# Altium PCB PCB1.PcbDoc (part 1 of 2)
Units mil, origin at the board's own origin, x right, y up, seen from the top; angles counter-clockwise.
Board outline 3031.5 x 3622.05 mil, 2 copper layers (Top Layer, Bottom Layer); 135 components, 132 nets, 565 pads, 121 vias.
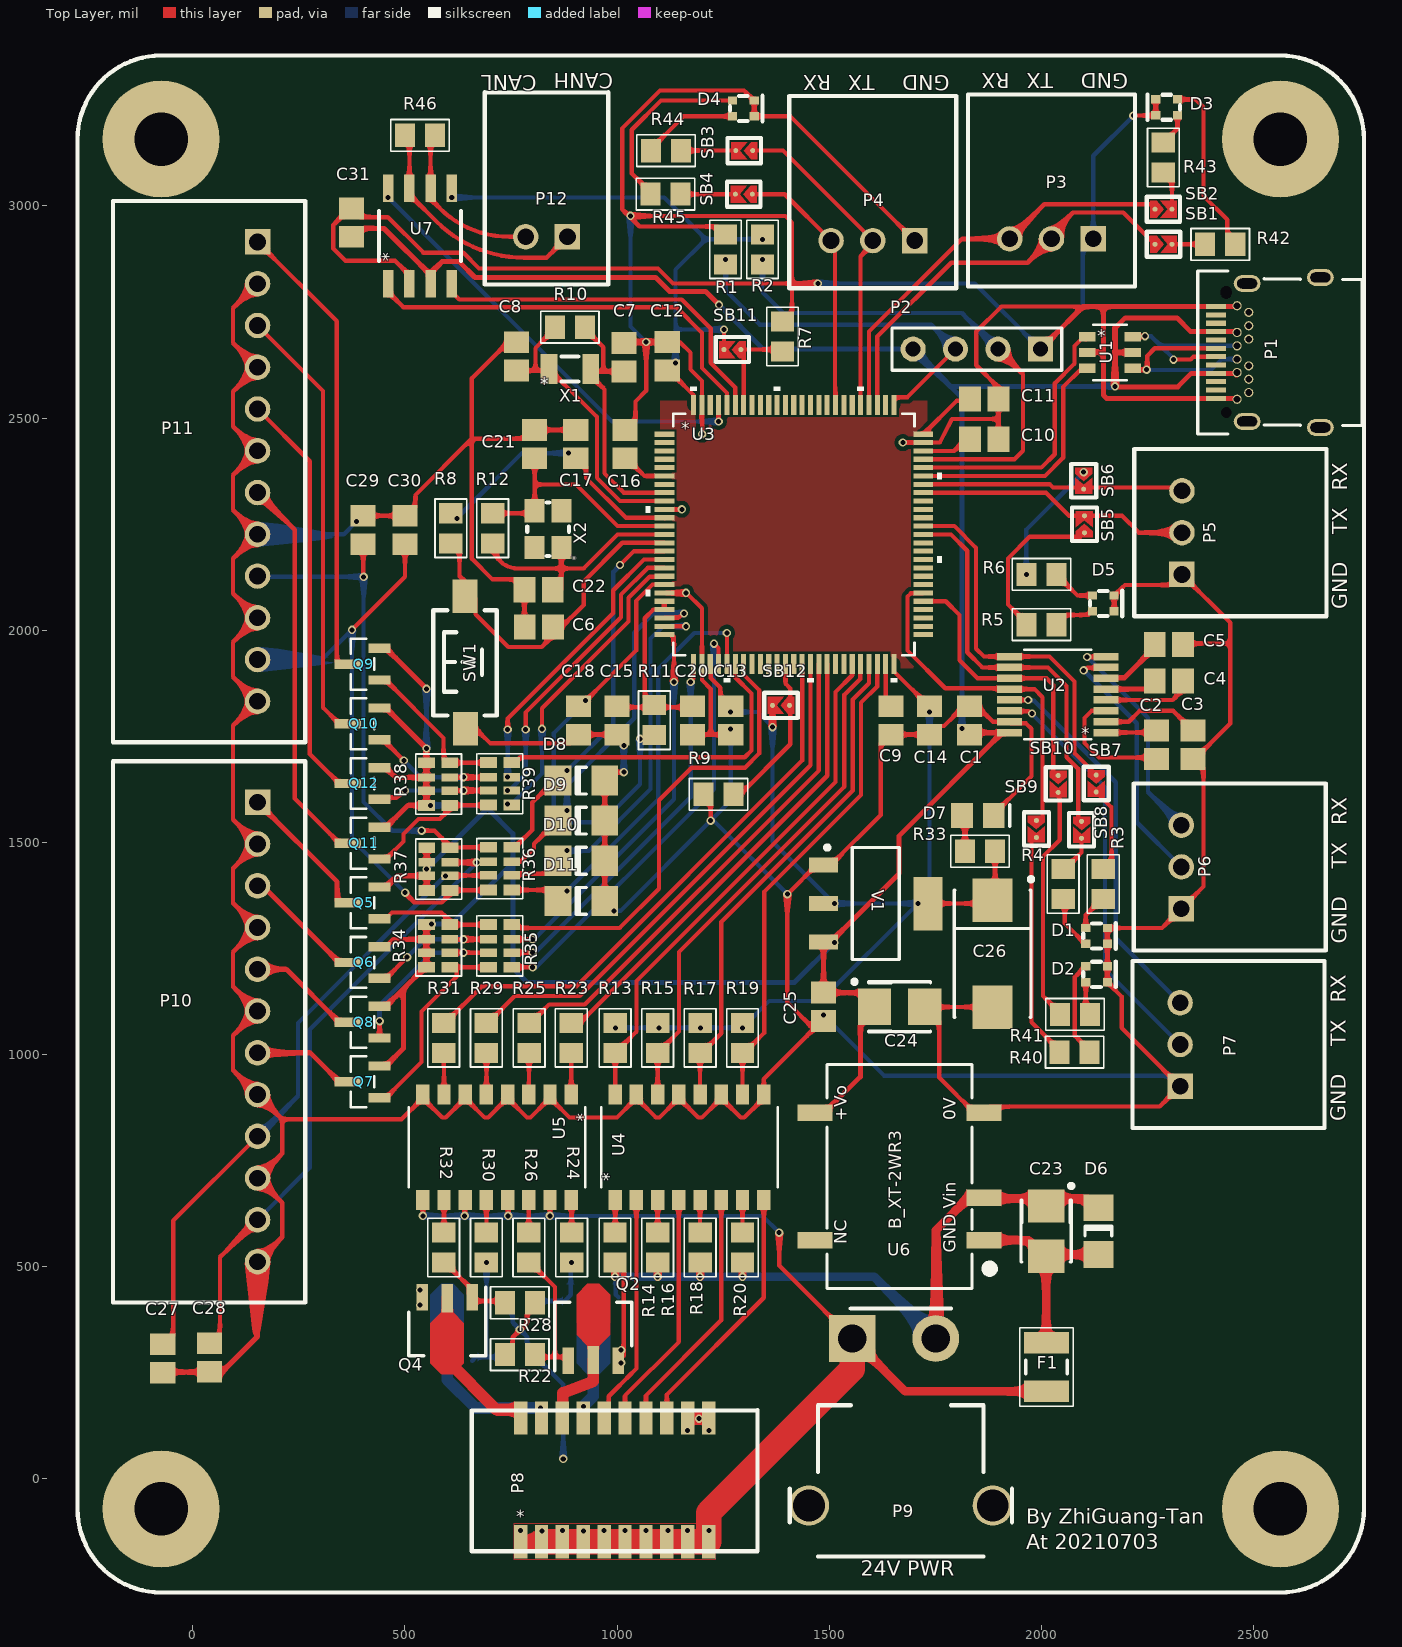
[diagram p0: Top Layer view]
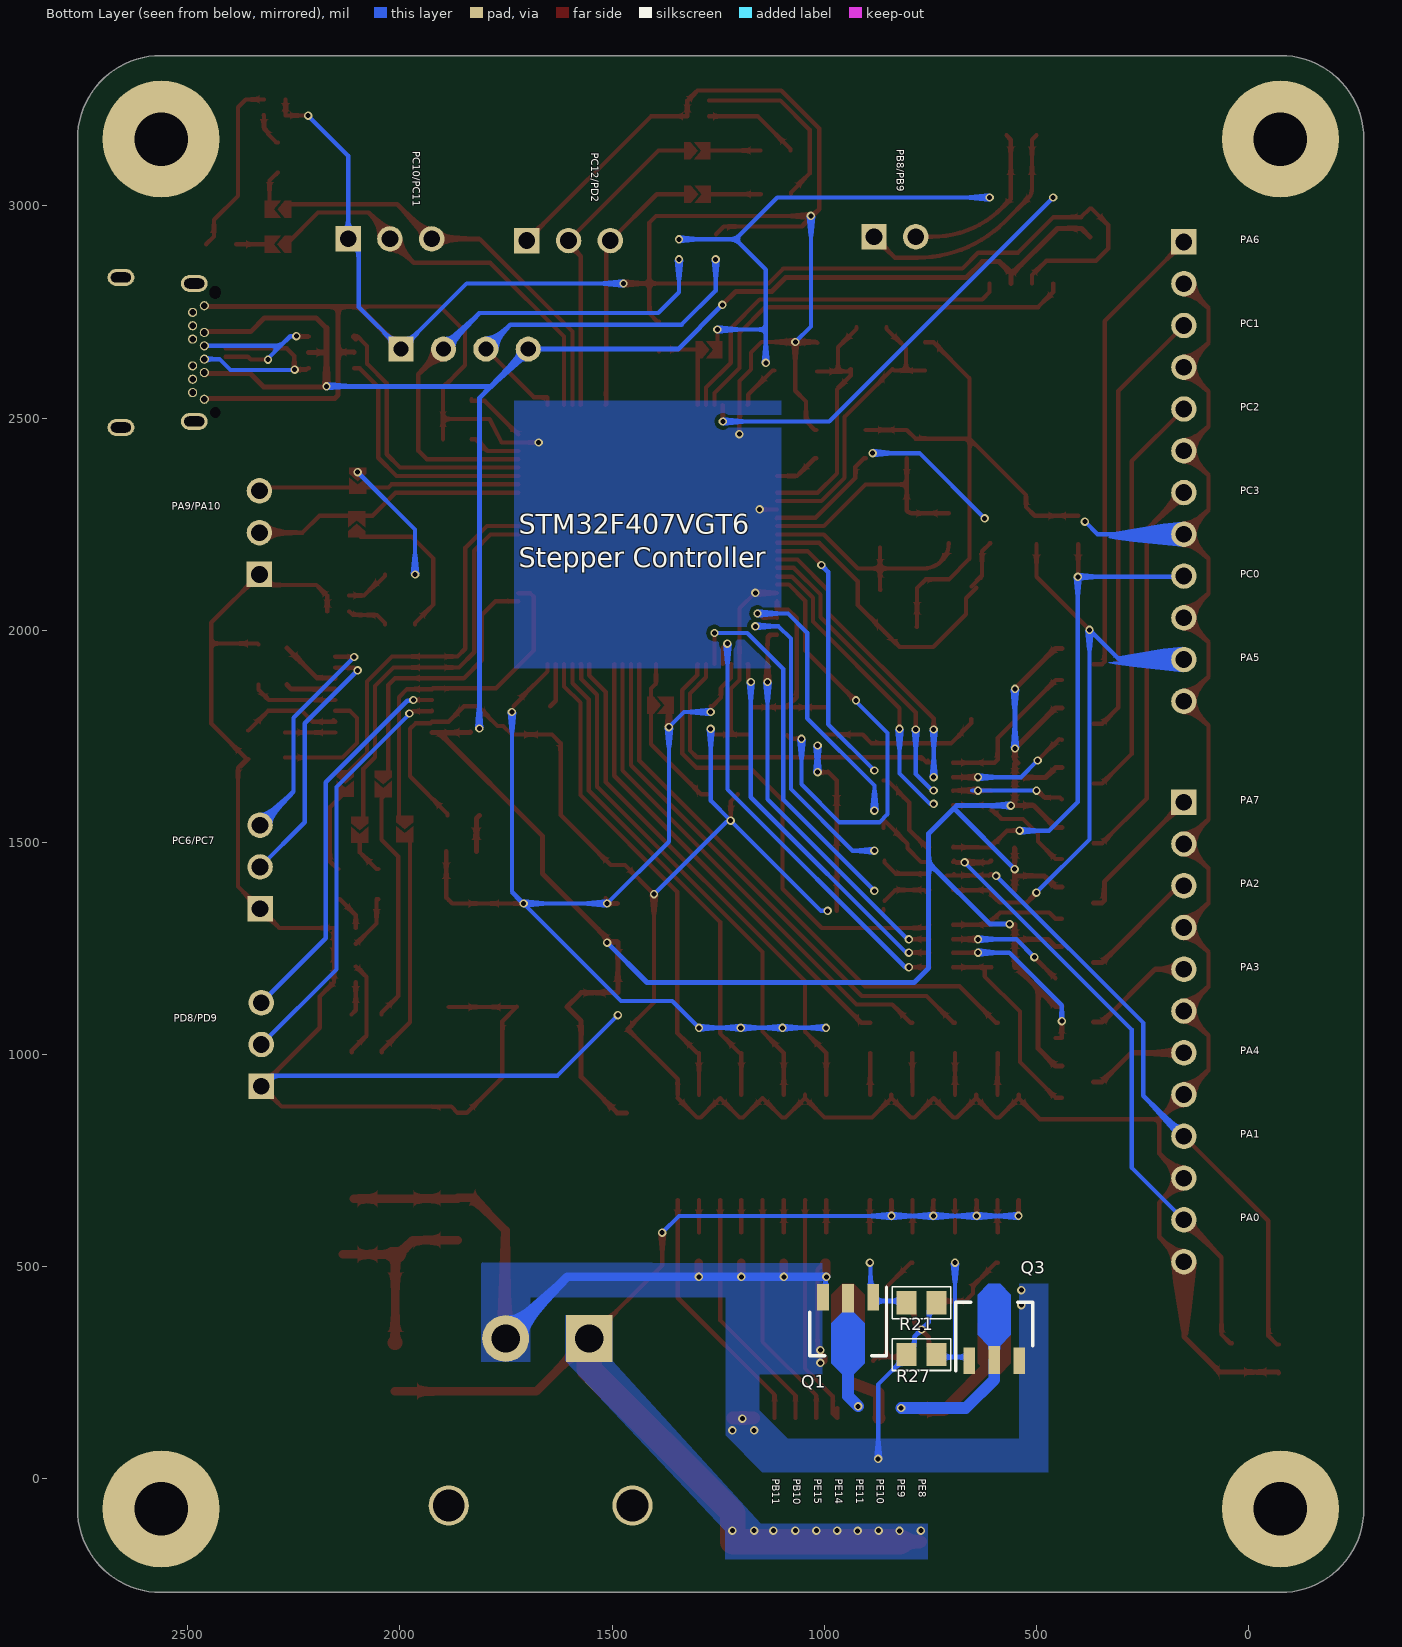
[diagram p1: Bottom Layer view, seen from below]
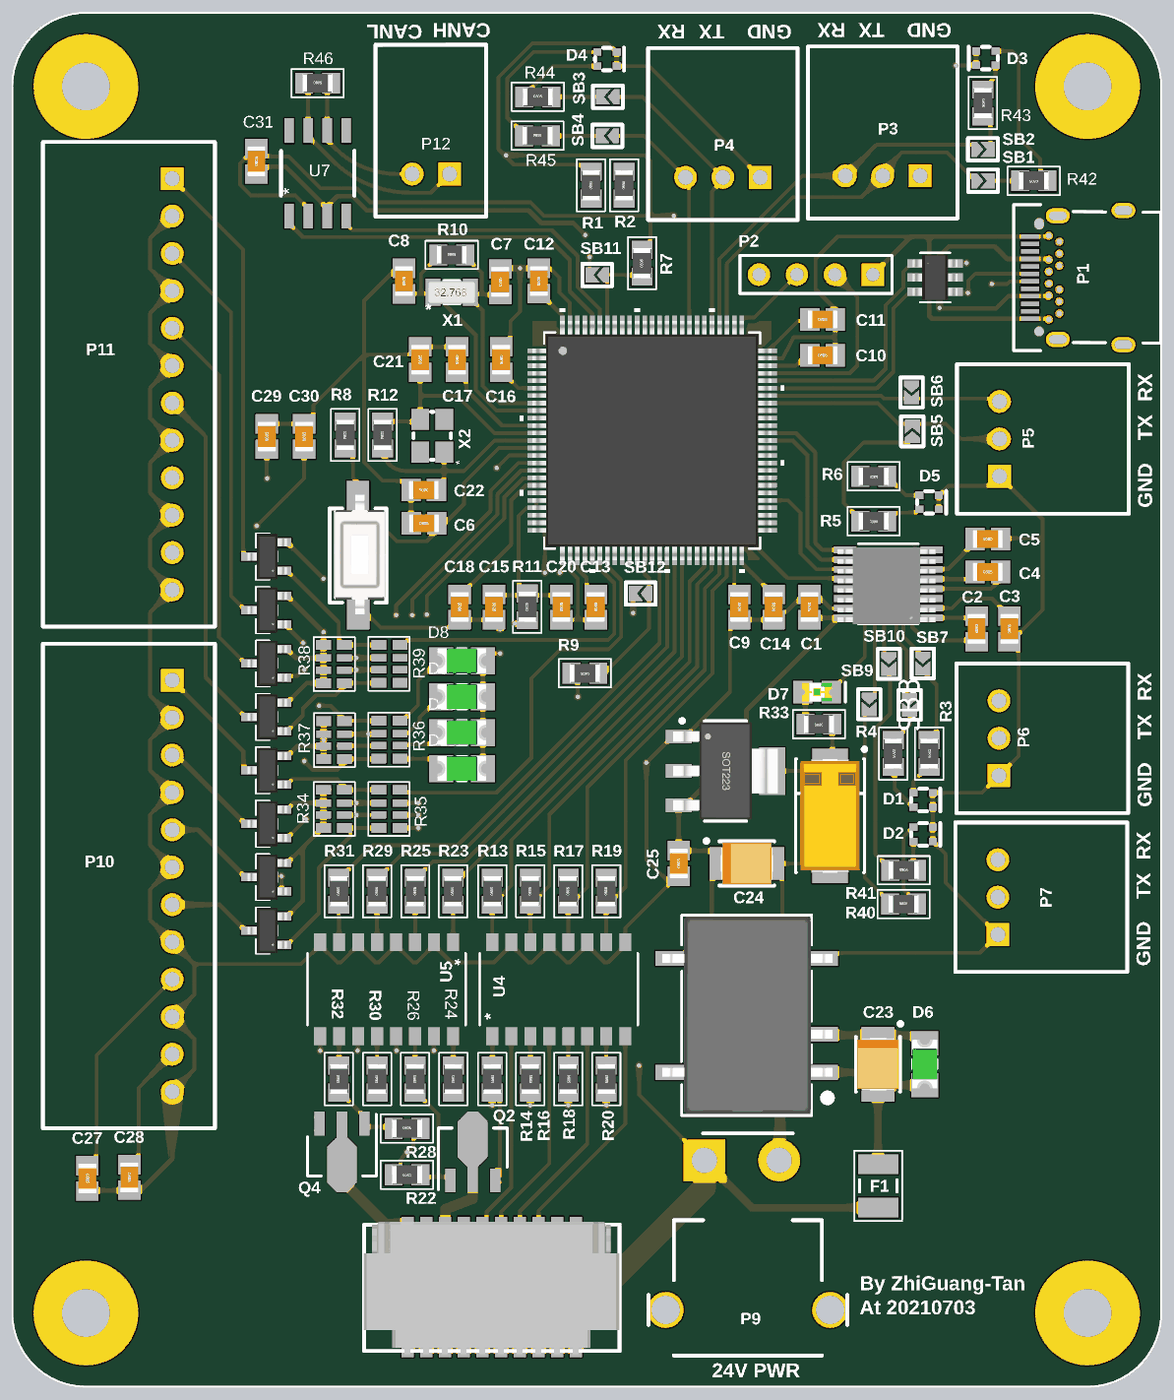
[diagram p3: 3D render of the assembled board from above, using the file's embedded part models]

## Layer stack, top to bottom
Top Solder: solder mask 0.4, Solder Resist, Dk 3.5
Top Layer: signal copper 1.4
Dielectric 1: dielectric 12.6, FR-4, Dk 4.8
Bottom Layer: signal copper 1.4
Bottom Solder: solder mask 0.4, Solder Resist, Dk 3.5

## Board outline
-271.65,-70.87 ccw(c-74.8,-70.87) -74.8,-267.72 2562.99,-267.72 ccw(c2562.99,-70.87) 2759.84,-70.87 2759.84,3157.48 ccw(c2562.99,3157.48) 2562.99,3354.33 -74.8,3354.33 ccw(c-74.8,3157.48) -271.65,3157.48

## Design rules (kind name [scope] priority, off if disabled: settings)
Clearance [All] p1: gap=10 ignorepadtopadclearanceinfootprint=FALSE except(0: Arc-Hole Track-Hole SMDPad-Hole THPad-Hole Via-Hole Fill-Hole Poly-Hole Region-Hole Text-Hole; 6: Arc-SMDPad Track-SMDPad SMDPad-Fill SMDPad-Poly SMDPad-Region Fill-Fill Fill-Poly Fill-Region Poly-Poly Poly-Region Region-Region; 7: SMDPad-SMDPad; 8: Arc-Arc Arc-Track Arc-THPad Track-Track Track-THPad SMDPad-THPad THPad-THPad)
DiffPairsRouting [All] p1: maxlimit=10 minlimit=6 mostfreqgap=10 toplayer_minwidth=10 toplayer_maxwidth=15 toplayer_prefwidth=15 bottomlayer_minwidth=10 bottomlayer_maxwidth=15 bottomlayer_prefwidth=15 maxuncoupledlength=500
HoleSize [All] p1: absolutevalues=TRUE maxlimit=275.59 minlimit=11.81 maxpercent=80.000 minpercent=20.000
HoleToHoleClearance [All] p1: gap=8 allowstackedmicrovias=TRUE
MinimumSolderMaskSliver [All] p1: minsoldermaskwidth=0
PlaneClearance [All] p1: clearance=10
PlaneConnect [All] p1: planeconnectstyle=Direct reliefexpansion=20 reliefentries=4 reliefconductorwidth=10 reliefairgap=10
PolygonConnect [All] p1: connectstyle=Direct reliefconductorwidth=10 reliefentries=4 polygonreliefangle="90 Angle" airgapwidth=10
RoutingVias [All] p1: holewidth=28 width=50 viastyle="Through Hole" minholewidth=11.81 minwidth=19.68 maxholewidth=28 maxwidth=50
SilkToSilkClearance [All] p1: silktosilkclearance=0
SilkToSolderMaskClearance [IsPad] p1: minsilkscreentomaskgap=0 clearancetoexposedcopper=TRUE
SolderMaskExpansion [All] p1: expansion=4
Width [All] p1: maxlimit=60 minlimit=6 preferedwidth=10 minimp=50.000000 maximp=50.000000 favimp=50.000000
22 further rules are at their usual default settings.

## Classes and differential pairs
component class stepper: C27 C28 C29 C30 D8 D9 D10 D11 P10 P11 Q5 Q6 Q7 Q8 Q9 Q10 Q11 Q12 R34 R35 R36 R37 R38 R39
component class power: C23 C24 C25 C26 D6 D7 F1 P9 R33 U6 V1
component class io_TS: P8 Q1 Q2 Q3 Q4 R13 R14 R15 R16 R17 R18 R19 R20 R21 R22 R23 R24 R25 R26 R27 R28 R29 R30 R31 R32 U4 U5
component class controller: C6 C7 C8 C9 C10 C11 C12 C13 C14 C15 C16 C17 C18 C20 C21 C22 R7 R8 R9 R10 R11 R12 SB11 SB12 SW1 U3 X1 X2
component class connectivity: C1 C2 C3 C4 C5 C31 D1 D2 D3 D4 D5 P1 P2 P3 P4 P5 P6 P7 P12 R1 R2 R3 R4 R5 R6 R40 R41 R42 R43 R44 R45 R46 SB1 SB2 SB3 SB4 SB5 SB6 SB7 SB8 SB9 SB10 U1 U2 U7
differential pair USB: +USB_P -USB_N

## Components (designator, comment, footprint, x,y, rotation, side; value= is the part's Value field where it differs from the comment)
C1 "100nF" "CAP 0805" 1830.71,1787.4 r270 top
C2 "100nF" "CAP 0805" 2270.65,1729.97 r270 top
C3 "100nF" "CAP 0805" 2357.27,1729.97 r90 top
C4 "100nF" "CAP 0805" 2300.18,1879.85 r0 top
C5 "100nF" "CAP 0805" 2300.18,1966.47 r180 top
C6 "100nF" "CAP 0805" 815.42,2007.87 r0 top
C7 "100nF" "CAP 0805" 1016.32,2643.35 r90 top
C8 "100nF" "CAP 0805" 762.7,2645.32 r90 top
C9 "100nF" "CAP 0805" 1645.67,1787.4 r270 top
C10 "100nF" "CAP 0805" 1865.14,2450.05 r0 top
C11 "100nF" "CAP 0805" 1865.14,2544.54 r0 top
C12 "100nF" "CAP 0805" 1118.11,2645.67 r90 top
C13 "100nF" "CAP 0805" 1267.72,1787.4 r270 top
C14 "100nF" "CAP 0805" 1736.22,1787.4 r270 top
C15 "100nF" "CAP 0805" 1000,1787.4 r270 top
C16 "100nF" "CAP 0805" 1018.69,2438.63 r270 top
C17 "100nF" "CAP 0805" 902.46,2438.63 r270 top
C18 "100nF" "CAP 0805" 909.45,1787.4 r90 top
C20 "100nF" "CAP 0805" 1177.17,1787.4 r90 top
C21 "100nF" "CAP 0805" 805.69,2438.63 r90 top
C22 "100nF" "CAP 0805" 814.96,2095.39 r180 top
C23 "1uF" TC3528-1411 2011.03,584.02 r270 top
C24 "10uF" TC3528-1411 1665.61,1112.49 r0 top
C25 "100nF" "CAP 0805" 1486.38,1112.49 r90 top
C26 "100uF" TC7343-2917 1884.83,1237.84 r270 top
C27 "100nF" "CAP 0805" -70.87,283.46 r270 top
C28 "100nF" "CAP 0805" 39.37,286.14 r270 top
C29 "100nF" "CAP 0805" 401.57,2236.22 r90 top
C30 "100nF" "CAP 0805" 500,2236.22 r90 top
C31 "100nF" "CAP 0805" 374.02,2960.63 r90 top
D1 "LED 2Pack" LED-1615 2129.92,1279.53 r90 top
D2 "LED 2Pack" LED-1615 2129.92,1188.98 r90 top
D3 "LED 2Pack" LED-1615 2295.1,3232.28 r270 top
D4 "LED 2Pack" LED-1615 1297.4,3229.75 r90 top
D5 "LED 2Pack" LED-1615 2145.67,2062.99 r90 top
D6 "D" CD3216-1206 2134.3,584.02 r90 top
D7 "LED" CD2012-0805 1850.39,1563.31 r0 top
D8 "D Zener" CD3216-1206 915.6,1645.67 r180 top
D9 "D Zener" CD3216-1206 915.6,1551.18 r180 top
D10 "D Zener" CD3216-1206 915.6,1456.69 r180 top
D11 "D Zener" CD3216-1206 915.6,1362.2 r180 top
F1 "Fuse" "RES 1210" 2011.81,263.78 r90 top
P1 "USB Type-C" "USB Type-C 24P" 2534.45,2654.51 r90 top
P2 "Header 4" HDR1X4 1997.64,2662.38 r180 top
P3 "Header 3" "MOLEX 53426-0310" 2023.62,2922.23 r180 top
P4 "Header 3" "MOLEX 53426-0310" 1602.62,2918.29 r180 top
P5 "Header 3" "MOLEX 53426-0310" 2331.15,2229.97 r90 top
P6 "Header 3" "MOLEX 53426-0310" 2329.71,1442.14 r90 top
P7 "Header 3" "MOLEX 53426-0310" 2326.77,1023.62 r90 top
P8 "Header 16X2" "MOLEX 505448-2071" 994.08,-2.31 r0 top
P9 "Header 2" XT30PW-M 1668.47,133.98 r180 top
P10 "Header 12" "MOLEX 53426-1210" 152.54,1053.28 r270 top
P11 "Header 12" "MOLEX 53426-1210" 152.54,2373.67 r270 top
P12 "Header 2" "MOLEX 53426-0210" 833.65,2927.19 r180 top
Q1 "PNP" SOT-89 943.88,353 r270 bottom
Q2 "PNP" SOT-89 943.88,353 r90 top
Q3 "PNP" SOT-89 599.49,353 r90 bottom
Q4 "PNP" SOT-89 599.49,353 r270 top
Q5 "MOSFET-P" SOT23-3 402.82,1357.58 r90 top
Q6 "MOSFET-P" SOT23-3 402.82,1216.97 r90 top
Q7 "MOSFET-P" SOT23-3 402.82,935.76 r90 top
Q8 "MOSFET-P" SOT23-3 402.82,1076.37 r90 top
Q9 "MOSFET-P" SOT23-3 402.82,1920 r90 top
Q10 "MOSFET-P" SOT23-3 402.82,1779.39 r90 top
Q11 "MOSFET-P" SOT23-3 402.82,1498.18 r90 top
Q12 "MOSFET-P" SOT23-3 402.82,1638.79 r90 top
R1 "10kOhm" "RES 0805" 1255.46,2897.64 r90 top
R2 "10kOhm" "RES 0805" 1342.52,2897.64 r90 top
R3 "10kOhm" "RES 0805" 2145.67,1401.57 r270 top
R4 "10kOhm" "RES 0805" 2051.18,1401.57 r270 top
R5 "10kOhm" "RES 0805" 1999.78,2013.31 r180 top
R6 "10kOhm" "RES 0805" 1999.78,2131.42 r180 top
R7 "Resistor" "RES 0805" 1389.76,2692.26 r90 top value=10kOhm
R8 "Resistor" "RES 0805" 608.17,2240.17 r90 top value=10kOhm
R9 "Resistor" "RES 0805" 1239.17,1613.19 r180 top value=10kOhm
R10 "Resistor" "RES 0805" 888.52,2714.22 r0 top value=1MOhm
R11 "Resistor" "RES 0805" 1087.62,1787.97 r90 top value=0Ohm
R12 "Resistor" "RES 0805" 706.6,2240.17 r90 top value=1MOhm
R13 "Resistor" "RES 0805" 995.46,1039.34 r90 top value=10kOhm
R14 "Resistor" "RES 0805" 995.06,544.93 r270 top value=2.4kOhm
R15 "Resistor" "RES 0805" 1095.46,1039.34 r90 top value=10kOhm
R16 "Resistor" "RES 0805" 1095.46,544.93 r270 top value=2.4kOhm
R17 "Resistor" "RES 0805" 1195.46,1039.34 r90 top value=10kOhm
R18 "Resistor" "RES 0805" 1195.46,544.93 r270 top value=2.4kOhm
R19 "Resistor" "RES 0805" 1295.46,1039.34 r90 top value=10kOhm
R20 "Resistor" "RES 0805" 1295.46,544.93 r270 top value=2.4kOhm
R21 "Resistor" "RES 0805" 770.65,415.01 r180 bottom value=100kOhm
R22 "Resistor" "RES 0805" 770.65,292.96 r180 top value=100kOhm
R23 "Resistor" "RES 0805" 891.87,1039.34 r90 top value=330Ohm
R24 "Resistor" "RES 0805" 892.7,544.93 r90 top value=10kOhm
R25 "Resistor" "RES 0805" 792.5,1039.34 r90 top value=330Ohm
R26 "Resistor" "RES 0805" 791.94,544.93 r90 top value=10kOhm
R27 "Resistor" "RES 0805" 770.65,292.96 r0 bottom value=100kOhm
R28 "Resistor" "RES 0805" 770.65,415.01 r0 top value=100kOhm
R29 "Resistor" "RES 0805" 691.91,1039.34 r90 top value=330Ohm
R30 "Resistor" "RES 0805" 691.94,544.93 r90 top value=10kOhm
R31 "Resistor" "RES 0805" 591.14,1039.34 r90 top value=330Ohm
R32 "Resistor" "RES 0805" 591.14,544.93 r90 top value=10kOhm
R33 "Resistor" "RES 0805" 1855.33,1479.01 r180 top value=330Ohm
R34 "10kOhm" "RES 0603 4PACK" 578.2,1255.91 r180 top
R35 "10kOhm" "RES 0603 4PACK" 724.41,1255.91 r0 top
R36 "10kOhm" "RES 0603 4PACK" 724.41,1438.18 r0 top
R37 "10kOhm" "RES 0603 4PACK" 578.74,1437.01 r180 top
R38 "10kOhm" "RES 0603 4PACK" 578.2,1637.3 r180 top
R39 "10kOhm" "RES 0603 4PACK" 724.41,1638.06 r0 top
R40 "10kOhm" "RES 0805" 2078.25,1005.58 r0 top
R41 "10kOhm" "RES 0805" 2078.74,1094.49 r0 top
R42 "10kOhm" "RES 0805" 2421.26,2909.45 r180 top
R43 "10kOhm" "RES 0805" 2287.4,3114.17 r270 top
R44 "10kOhm" "RES 0805" 1115.14,3130.26 r0 top
R45 "10kOhm" "RES 0805" 1114.14,3027.9 r0 top
R46 "10kOhm" "RES 0805" 535.43,3166.34 r0 top
SB1 "Solder Bridge" "Solder Bridge" 2287.72,2909.45 r180 top
SB2 "Solder Bridge" "Solder Bridge" 2287.4,2992.13 r180 top
SB3 "Solder Bridge" "Solder Bridge" 1299.56,3130.26 r0 top
SB4 "Solder Bridge" "Solder Bridge" 1298.56,3027.58 r0 top
SB5 "Solder Bridge" "Solder Bridge" 2101.36,2249.65 r270 top
SB6 "Solder Bridge" "Solder Bridge" 2099.55,2352.36 r90 top
SB7 "Solder Bridge" "Solder Bridge" 2129.08,1638.79 r90 top
SB8 "Solder Bridge" "Solder Bridge" 2094.49,1529.6 r90 top
SB9 "Solder Bridge" "Solder Bridge" 1988.19,1531.5 r90 top
SB10 "Solder Bridge" "Solder Bridge" 2039.37,1637.8 r90 top
SB11 "SB" "Solder Bridge" 1271.65,2661.42 r0 top
SB12 "SB" "Solder Bridge" 1386.14,1822.83 r0 top
SW1 "Button" "TSW SMD-3*6*2.5" 641.73,1925.2 r90 top
U1 "USBLC6-2SC6" SOT23-6L_STM 2161.42,2654.51 r0 top
U2 "MAX3232CPW" TSSOP-16 2038.37,1848.36 r180 top
U3 "STM32F417VGT6" LQFP100-14×14mm 1416.32,2225.69 r0 top
U4 "TLP291-4" SO-16 1170.46,781.39 r90 top
U5 "TLP291-4" SO-16 716.94,781.39 r270 top
U6 "B_XT-2WR3" B_XT-2WR3 1665.35,712.6 r90 top
U7 "TJA1051" SO-8 535.43,2929.13 r90 top
V1 "AMS1117-3V3" SOT-223 1609.41,1355.87 r0 top
X1 "8MHz" "XTAL 3215" 888.52,2615.8 r0 top
X2 "8MHz" "XTAL 3225" 837.19,2238.14 r90 top
